# Altium PCB PCB_v6.PcbDoc (part 6 of 7)
Units mil, origin at the board's own origin, x right, y up, seen from the top; angles counter-clockwise.
Board outline 6750 x 6000 mil, 6 copper layers (Top Layer, Int1 (GND), Int2 (Sign), Int3 (Sign), Int4 (PWR), Bottom Layer), stack 61.067 mil thick; 476 components, 584 nets, 2542 pads, 986 vias.
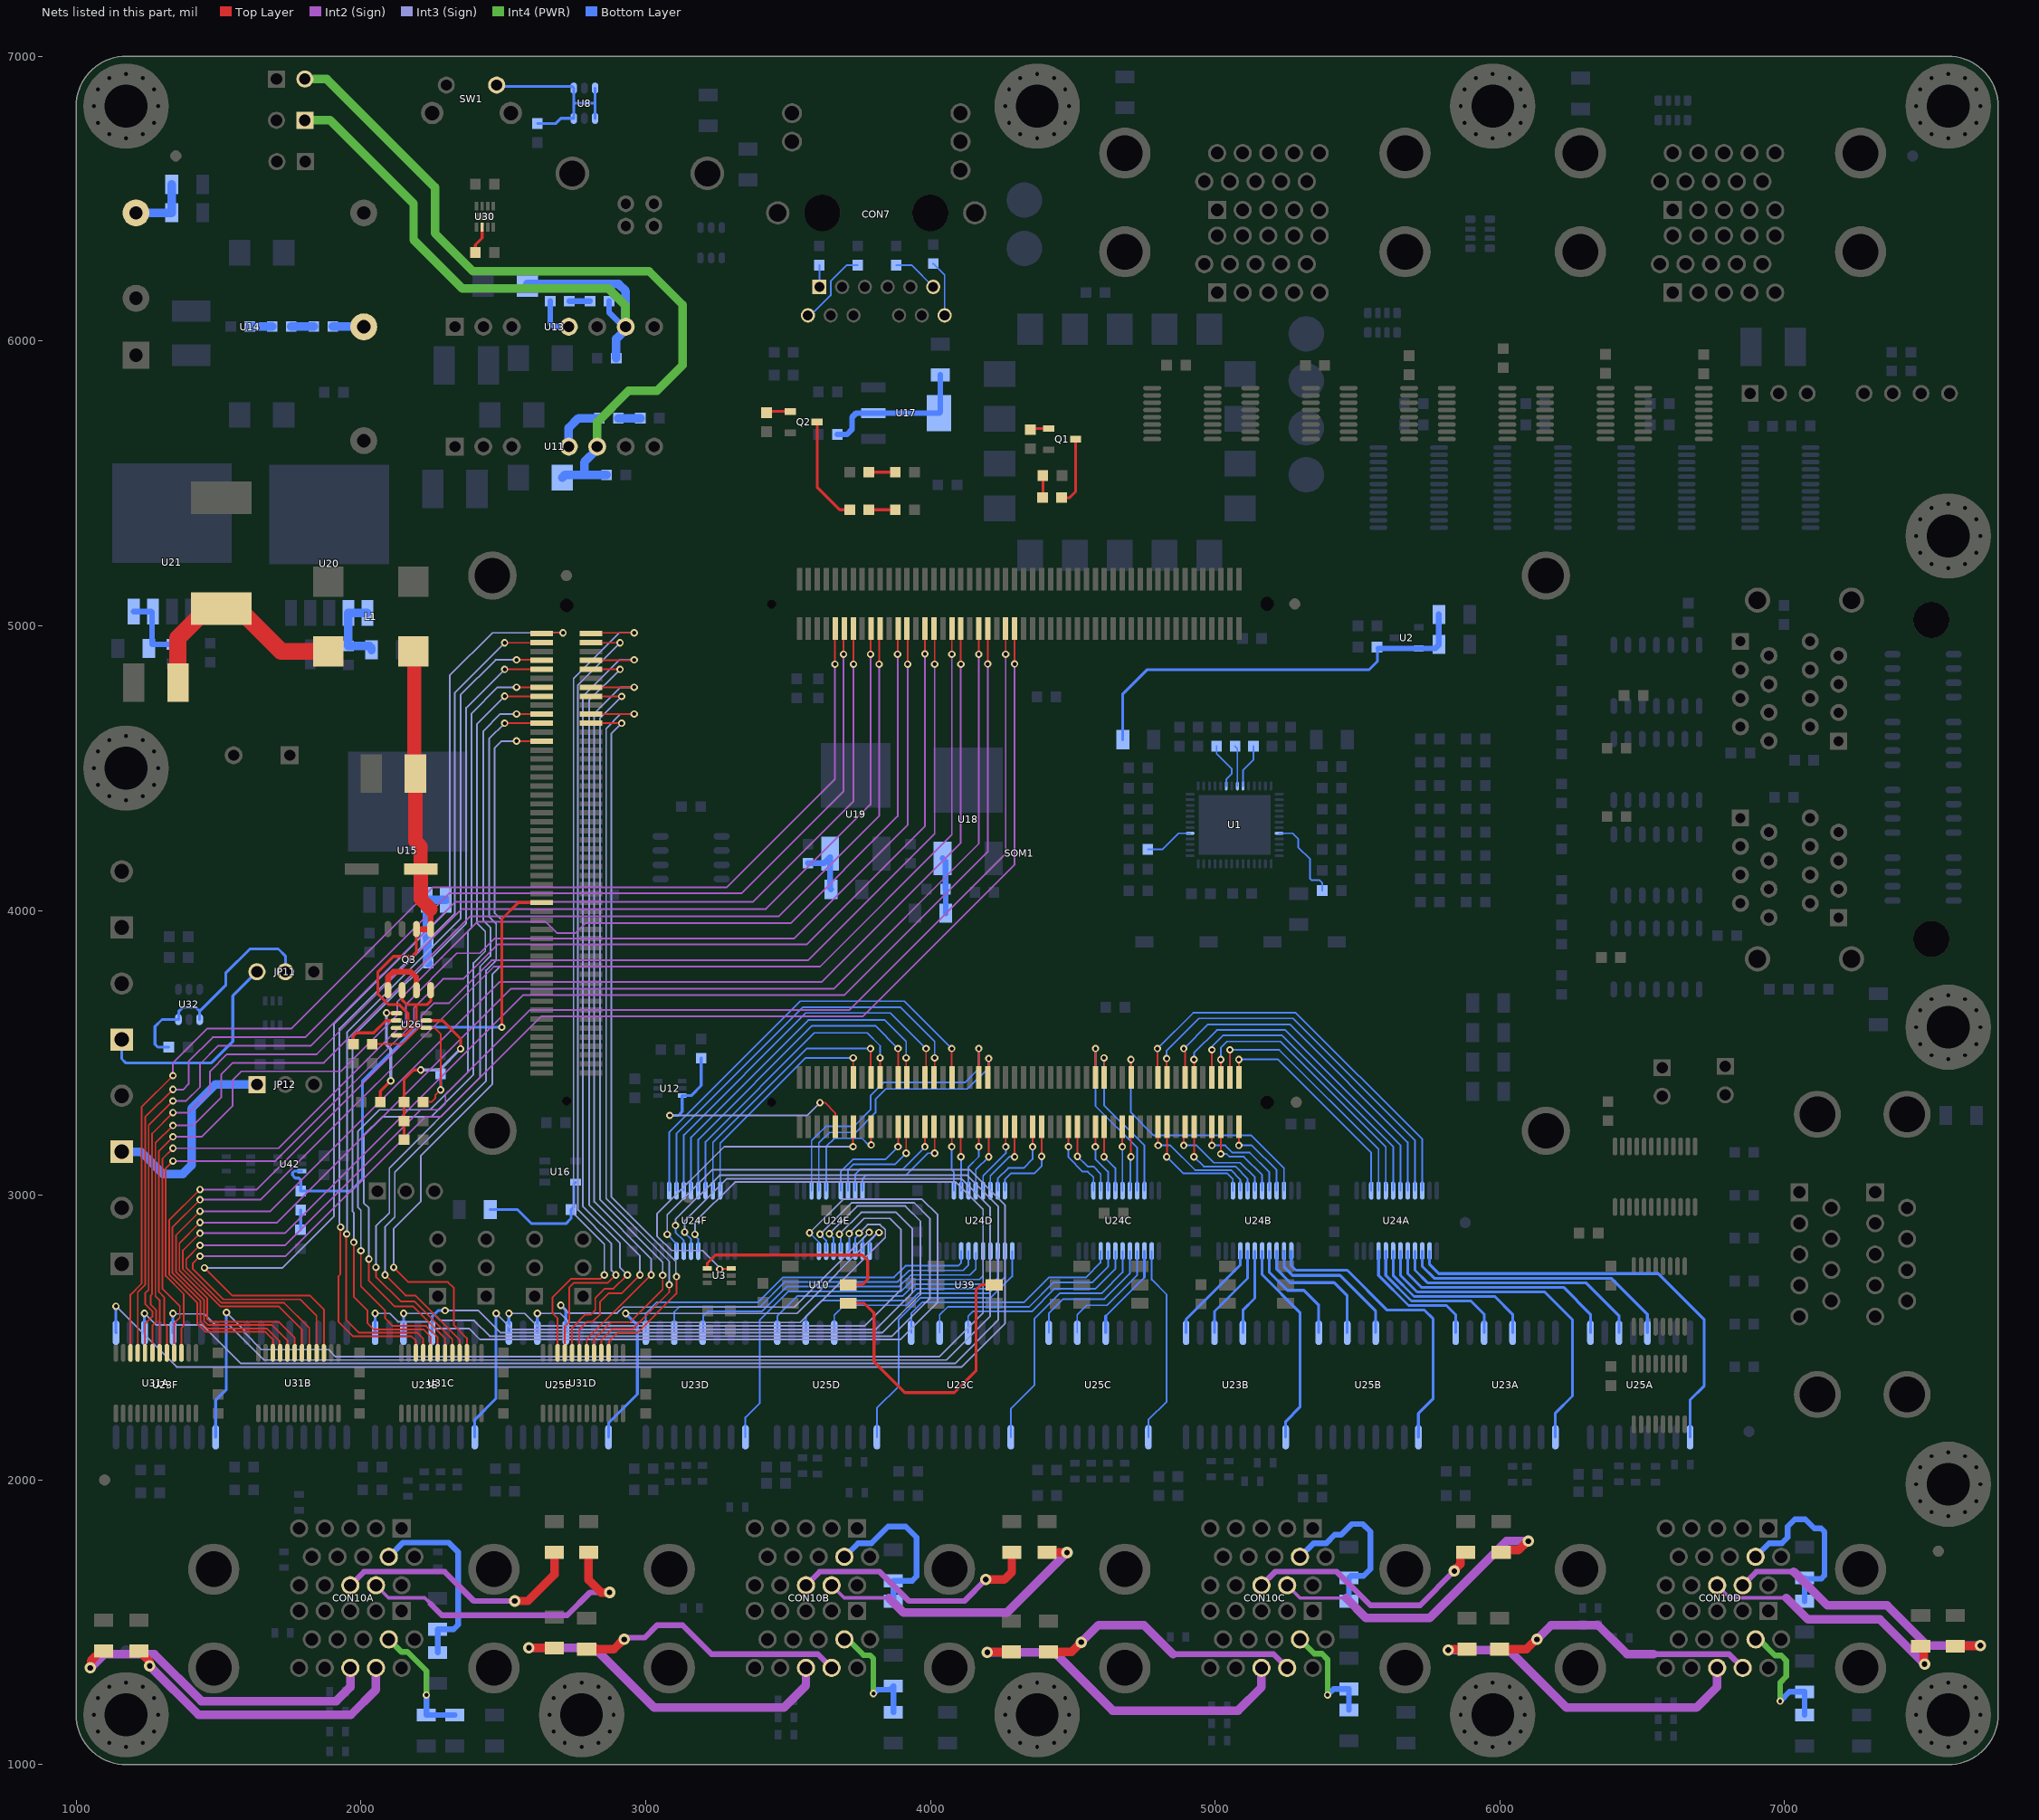
[diagram p10: the nets of this part, all layers, seen from the top]

## Via types
v1: diameter 26, hole 14, Top Layer to Bottom Layer, tented both sides, 919 vias
v2: diameter 40, hole 20, Top Layer to Bottom Layer, tented both sides, 53 vias
v3: diameter 60, hole 20, Top Layer to Bottom Layer, tented both sides, 6 vias
v4: diameter 30, hole 16, Top Layer to Bottom Layer, tented both sides, 5 vias
v5: diameter 60, hole 30, Top Layer to Bottom Layer, tented both sides, 2 vias
v6: diameter 80, hole 40, Top Layer to Bottom Layer, tented both sides, 1 vias

## Nets (pads, with @x,y where several pads share a name; then routed paths per layer and width w, separated by ;. In a path a pad name is that pad's centre, name@x,y a point inside that pad or via, vN(x,y) a via of type N, cw(c..) or ccw(c..) an arc to the next point about the centre after c; other vN are vias at no path point) (continued)
LV_INV1_PWM2: SOM1.JX2-18 U24E.5 | length 399.3
  Top Layer w6: v1(3791.94,3176.61) 3791.94,3236.01 3790,3237.95 SOM1.JX2-18@3792.05,3240
  Bottom Layer w6: U24E.5@3633.92,3016.3 3633.92,3170.79 3663.13,3200 3760,3200 3783.39,3176.61 v1(3791.94,3176.61)
LV_INV1_PWM3: SOM1.JX2-43 U24E.4 | length 1005.7
  Top Layer w6: SOM1.JX2-43@4201.5,3413.23 4205,3416.73 v1(4205,3479.97) v1@4205,3485
  Bottom Layer w6: U24E.4@3608.33,3016.3 3608.33,3183.26 3645.7,3220.64 3738.34,3220.64 3807.49,3289.78 3807.49,3336.65 3844.06,3373.23 4129.78,3373.23 4205,3448.45 v1(4205,3479.97)
LV_INV1_PWM4: SOM1.JX2-41 U24E.3 | length 1068.4
  Top Layer w6: SOM1.JX2-41@4170,3413.23 v1(4170,3515)
  Bottom Layer w6: U24E.3@3582.74,3016.3 3582.74,3191.31 3632.82,3241.39 3731.39,3241.39 3790,3300 3790,3349.68 3836.07,3395.76 4121.04,3395.76 4170,3444.72 v1(4170,3515)
LV_INV1_PWM5: SOM1.JX2-13 U24F.10 | length 826.6
  Top Layer w6: SOM1.JX2-13@3729.06,3413.23 v1(3729.06,3482.45)
  Bottom Layer w6: U24F.10@3261.87,3016.3 3261.87,3182.12 3562.21,3482.45 v1(3729.06,3482.45)
LV_INV1_PWM6: SOM1.JX2-17 U24F.9 | length 962.2
  Top Layer w6: v1(3790,3515) 3790,3415.28 SOM1.JX2-17@3792.05,3413.23
  Bottom Layer w6: U24F.9@3236.28,3016.3 3236.28,3185.83 3565.46,3515 v1(3790,3515)
LV_INV2_PWM1: SOM1.JX2-31 U24F.4 | length 1467.6
  Top Layer w6: SOM1.JX2-31@4012.52,3413.23 4015,3415.71 v1(4015,3482.45)
  Bottom Layer w6: U24F.4@3108.33,3016.3 3108.33,3215.71 3552.62,3660 3895,3660 4015,3540 v1(4015,3482.45)
LV_INV2_PWM2: SOM1.JX2-29 U24F.5 | length 1378.9
  Top Layer w6: SOM1.JX2-29@3981.02,3413.23 3985,3417.2 v1(3985,3515)
  Bottom Layer w6: U24F.5@3133.92,3016.3 3133.92,3211.33 3562.59,3640 3860,3640 v1(3985,3515)
LV_INV2_PWM3: SOM1.JX2-25 U24F.6 | length 1272.2
  Top Layer w6: v1(3915,3482.45) 3915,3416.26 SOM1.JX2-25@3918.03,3413.23
  Bottom Layer w6: U24F.6@3159.51,3016.3 3159.51,3203.29 3571.23,3615 3840.18,3615 3915,3540.18 v1(3915,3482.45)
LV_INV2_PWM4: SOM1.JX2-23 U24F.7 | length 1181.1
  Top Layer w6: SOM1.JX2-23@3886.54,3413.23 v1(3886.54,3515)
  Bottom Layer w6: U24F.7@3185.1,3016.3 3185.1,3195.67 3584.43,3595 3806.54,3595 v1(3886.54,3515)
LV_INV2_PWM5: SOM1.JX2-19 U24F.8 | length 1073
  Top Layer w6: SOM1.JX2-19@3823.54,3413.23 v1(3823.54,3482.45)
  Bottom Layer w6: U24F.8@3210.69,3016.3 3210.69,3187.85 3592.85,3570 3778.44,3570 3823.54,3524.89 v1(3823.54,3482.45)
LV_INV2_PWM6: SOM1.JX2-35 U24F.3 | length 1558.4
  Top Layer w6: v1(4075,3515) 4075,3413.74 SOM1.JX2-35@4075.51,3413.23
  Bottom Layer w6: U24F.3@3082.74,3016.3 3082.74,3220.64 3543.53,3681.43 3908.57,3681.43 v1(4075,3515)
LV_INV3_PWM1: SOM1.JX2-56 U24D.10 | length 325.7
  Top Layer w6: v1(4390.47,3136.42) SOM1.JX2-56@4390.47,3240
  Bottom Layer w6: U24D.10@4261.87,3016.3 4262.57,3017 4262.57,3056.8 4281.89,3076.11 4365,3076.11 4390.47,3101.59 v1(4390.47,3136.42)
LV_INV3_PWM2: SOM1.JX2-54 U24D.9 | length 306.6
  Top Layer w6: v1(4358.98,3170) SOM1.JX2-54@4358.98,3240
  Bottom Layer w6: U24D.9@4236.28,3016.3 4236.28,3058.4 4273.37,3095.49 4328.06,3095.49 4358.98,3126.41 v1(4358.98,3170)
LV_INV3_PWM3: SOM1.JX2-50 U24D.8 | length 270
  Top Layer w6: v1(4295.99,3135) SOM1.JX2-50@4295.98,3240
  Bottom Layer w6: U24D.8@4210.69,3016.3 4210.69,3068.39 4277.31,3135 v1(4295.99,3135)
LV_INV3_PWM4: SOM1.JX2-48 U24D.7 | length 257
  Top Layer w6: SOM1.JX2-48@4264.49,3240 4264.49,3170.51 v1(4265,3170)
  Bottom Layer w6: U24D.7@4185.1,3016.3 4185.1,3068.22 4265,3148.11 v1(4265,3170)
LV_INV3_PWM5: SOM1.JX2-44 U24D.6 | length 244
  Top Layer w6: SOM1.JX2-44@4201.5,3240 4205,3236.5 v1(4205,3135)
  Bottom Layer w6: U24D.6@4159.51,3016.3 4159.51,3089.51 v1(4205,3135)
LV_INV3_PWM6: SOM1.JX2-42 U24D.5 | length 238.6
  Top Layer w6: v1(4170,3170) SOM1.JX2-42@4170,3240
  Bottom Layer w6: U24D.5@4133.92,3016.3 4133.92,3099.47 4170,3135.55 v1(4170,3170)
LV_INV4_PWM1: SOM1.JX2-26 U24E.8 | length 395.9
  Top Layer w6: v1(3915,3147.6) 3915,3236.97 SOM1.JX2-26@3918.03,3240
  Bottom Layer w6: U24E.8@3710.69,3016.3 3710.69,3090.59 3728.52,3108.43 3875.82,3108.43 v1(3915,3147.6)
LV_INV4_PWM2: SOM1.JX2-30 U24E.9 | length 412.3
  Top Layer w6: v1(3981.02,3170) SOM1.JX2-30@3981.02,3240
  Bottom Layer w6: U24E.9@3736.28,3016.3 3736.28,3074.13 3752.75,3090.59 3901.62,3090.59 v1(3981.02,3170)
LV_INV4_PWM3: SOM1.JX2-32 U24E.10 | length 425.2
  Top Layer w6: SOM1.JX2-32@4012.52,3240 4015,3237.52 v1(4015,3147.6)
  Bottom Layer w6: U24E.10@3761.87,3016.3 3761.87,3057.76 3774.12,3070 3913.69,3070 3991.29,3147.6 v1(4015,3147.6)
LV_INV4_PWM4: SOM1.JX2-36 U24D.3 | length 227.1
  Top Layer w6: v1(4075,3170) 4075.51,3170.51 SOM1.JX2-36@4075.51,3240
  Bottom Layer w6: v1(4075,3170) 4075,3088.75 4082.74,3081.01 U24D.3@4082.74,3016.3
LV_INV4_PWM5: SOM1.JX2-38 U24D.4 | length 224.2
  Top Layer w6: v1(4107.01,3135) SOM1.JX2-38@4107.01,3240
  Bottom Layer w6: v1(4107.01,3135) 4107.67,3134.34 4107.67,3016.96 U24D.4@4108.33,3016.3
LV_INV4_PWM6: SOM1.JX2-24 U24E.7 | length 373.6
  Top Layer w6: v1(3886.54,3170) SOM1.JX2-24@3886.54,3240
  Bottom Layer w6: U24E.7@3685.1,3016.3 3685.1,3081.97 3729.24,3126.11 3842.65,3126.11 v1(3886.54,3170)
LV_INV5_PWM1: SOM1.JX2-88 U24B.6 | length 409.2
  Top Layer w6: v1(4890,3175) 4890,3235.59 SOM1.JX2-88@4894.41,3240
  Bottom Layer w6: v1(4890,3175) 4935.01,3175 4996.01,3114 5088.04,3114 5139.51,3062.52 U24B.6@5139.51,3016.3
LV_INV5_PWM2: SOM1.JX2-90 U24B.5 | length 366.7
  Top Layer w6: v1(4925.9,3135) SOM1.JX2-90@4925.9,3240
  Bottom Layer w6: v1(4925.9,3135) 4960.09,3100.81 5071.21,3100.81 5113.92,3058.1 U24B.5@5113.92,3016.3
LV_INV5_PWM3: SOM1.JX2-82 U24B.4 | length 442
  Top Layer w6: v1(4799.92,3175) SOM1.JX2-82@4799.92,3240
  Bottom Layer w6: v1(4799.92,3175) 4842.73,3175 4929.61,3088.11 5055.52,3088.11 5088.33,3055.3 U24B.4@5088.33,3016.3
LV_INV5_PWM4: SOM1.JX2-84 U24B.3 | length 410.9
  Top Layer w6: v1(4830,3135) 4831.42,3136.42 SOM1.JX2-84@4831.42,3240
  Bottom Layer w6: v1(4830,3135) 4888.89,3076.11 5042.87,3076.11 5062.19,3056.8 5062.19,3016.85 U24B.3@5062.74,3016.3
LV_INV5_PWM5: SOM1.JX2-69 U24C.10 | length 594.5
  Top Layer w6: v1(4610,3482.45) 4610.95,3481.51 SOM1.JX2-69@4610.95,3413.23
  Bottom Layer w6: v1(4610,3482.45) 4610,3315.75 4751.87,3173.88 U24C.10@4751.87,3016.3
LV_INV5_PWM6: SOM1.JX2-67 U24C.9 | length 661.3
  Top Layer w6: SOM1.JX2-67@4579.45,3413.23 4580,3413.78 v1(4580,3515)
  Bottom Layer w6: v1(4580,3515) 4580,3313.16 4726.28,3166.88 U24C.9@4726.28,3016.3
LV_INV6_PWM1: SOM1.JX2-64 U24C.4 | length 269.5
  Top Layer w6: v1(4516.46,3136.42) SOM1.JX2-64@4516.46,3240
  Bottom Layer w6: v1(4516.46,3136.42) 4552.06,3100.81 4572.3,3100.81 4598.33,3074.79 U24C.4@4598.33,3016.3
LV_INV6_PWM2: SOM1.JX2-68 U24C.5 | length 242.1
  Top Layer w6: v1@4579.45,3170 SOM1.JX2-68@4579.45,3240
  Bottom Layer w6: v1(4579.45,3170) 4579.45,3127.31 4623.92,3082.84 U24C.5@4623.92,3016.3
LV_INV6_PWM3: SOM1.JX2-70 U24C.6 | length 240.5
  Top Layer w6: v1(4610,3135) 4610,3239.06 SOM1.JX2-70@4610.94,3240
  Bottom Layer w6: v1(4610,3135) 4649.51,3095.49 U24C.6@4649.51,3016.3
LV_INV6_PWM4: SOM1.JX2-74 U24C.7 | length 224.2
  Top Layer w6: v1(4673.94,3170) SOM1.JX2-74@4673.94,3240
  Bottom Layer w6: v1(4673.94,3170) 4674.52,3169.42 4674.52,3016.88 U24C.7@4675.1,3016.3
LV_INV6_PWM5: SOM1.JX2-76 U24C.8 | length 225.7
  Top Layer w6: v1(4704.14,3135) 4704.14,3238.7 SOM1.JX2-76@4705.43,3240
  Bottom Layer w6: U24C.8@4700.69,3016.3 4702.41,3018.02 4702.41,3133.28 v1(4704.14,3135)
LV_INV6_PWM6: SOM1.JX2-62 U24C.3 | length 265.7
  Top Layer w6: v1@4484.37,3175 4484.37,3239.41 SOM1.JX2-62@4484.96,3240
  Bottom Layer w6: v1(4485,3170) 4485,3133.01 4535.17,3082.84 4552.9,3082.84 4572.74,3063 U24C.3@4572.74,3016.3
LV_INV7_PWM1: SOM1.JX2-81 U24A.10 | length 1449.3
  Top Layer w6: v1(4797.49,3515) 4797.49,3415.67 SOM1.JX2-81@4799.92,3413.23
  Bottom Layer w6: v1(4797.49,3515) 4923.28,3640.79 5283.4,3640.79 5727.54,3196.65 U24A.10@5727.54,3016.3
LV_INV7_PWM2: SOM1.JX2-83 U24A.9 | length 1368.5
  Top Layer w6: v1(4830,3479.96) 4830,3414.65 SOM1.JX2-83@4831.42,3413.23
  Bottom Layer w6: v1(4830,3479.96) 4830,3508.31 4942.79,3621.1 5274.07,3621.1 5701.95,3193.23 U24A.9@5701.95,3016.3
LV_INV7_PWM3: SOM1.JX2-87 U24A.8 | length 1266.4
  Top Layer w6: v1(4890,3514.99) 4894.41,3510.58 SOM1.JX2-87@4894.41,3413.23
  Bottom Layer w6: v1(4890,3514.99) 4975.01,3600 5262.4,3600 5676.35,3186.05 U24A.8@5676.35,3016.3
LV_INV7_PWM4: SOM1.JX2-89 U24A.7 | length 1171.4
  Top Layer w6: SOM1.JX2-89@4925.91,3413.23 v1(4925.9,3476.61)
  Bottom Layer w6: v1(4925.9,3476.61) 4925.9,3499.91 5005.99,3580 5246.22,3580 5650.76,3175.46 U24A.7@5650.76,3016.3
LV_INV7_PWM5: SOM1.JX2-93 U24A.6 | length 1078.6
  Top Layer w6: SOM1.JX2-93@4988.9,3413.23 v1(4988.9,3510.58)
  Bottom Layer w6: v1(4988.9,3510.58) 4988.9,3522.35 5028.54,3562 5234.43,3562 5625.17,3171.26 U24A.6@5625.17,3016.3
LV_INV7_PWM6: SOM1.JX2-95 U24A.5 | length 1000.3
  Top Layer w6: v1(5020,3476.61) 5020,3413.62 SOM1.JX2-95@5020.4,3413.23
  Bottom Layer w6: v1(5020,3476.61) 5020,3518.42 5041.58,3540 5228.67,3540 5599.58,3169.09 U24A.5@5599.58,3016.3
LV_INV8_PWM1: SOM1.JX2-94 U24B.8 | length 370.3
  Top Layer w6: v1(4988.9,3175) SOM1.JX2-94@4988.9,3240
  Bottom Layer w6: v1(4988.9,3175) 5036,3175 5061.46,3149.54 5121.94,3149.54 5190.69,3080.79 U24B.8@5190.69,3016.3
LV_INV8_PWM2: SOM1.JX2-100 U24B.9 | length 305.6
  Top Layer w6: v1(5083.38,3175) SOM1.JX2-100@5083.38,3240
  Bottom Layer w6: v1(5083.38,3175) 5129.25,3175 5216.28,3087.96 U24B.9@5216.28,3016.3
LV_INV8_PWM3: SOM1.JX2-75 U24B.10 | length 947.4
  Top Layer w6: v1(4704.14,3476.61) 4705.43,3475.31 SOM1.JX2-75@4705.43,3413.23
  Bottom Layer w6: v1(4704.14,3476.61) 4704.14,3290.61 4784.75,3210 5126.93,3210 5241.87,3095.06 U24B.10@5241.87,3016.3
LV_INV8_PWM4: SOM1.JX2-99 U24A.3 | length 797.1
  Top Layer w6: SOM1.JX2-99@5083.39,3413.23 v1(5083.39,3476.61)
  Bottom Layer w6: v1(5083.39,3476.61) 5221.33,3476.61 5548.4,3149.54 U24A.3@5548.4,3016.3
LV_INV8_PWM5: SOM1.JX2-97 U24A.4 | length 909.4
  Top Layer w6: SOM1.JX2-97@5051.89,3413.23 v1(5051.89,3510.58)
  Bottom Layer w6: v1(5051.89,3510.58) 5225.13,3510.58 5573.99,3161.72 U24A.4@5573.99,3016.3
LV_INV8_PWM6: SOM1.JX2-96 U24B.7 | length 325.5
  Top Layer w6: v1(5020,3145) 5020,3239.61 SOM1.JX2-96@5020.39,3240
  Bottom Layer w6: v1(5020,3145) 5040.88,3145 5050.88,3135 5100.98,3135 5165.1,3070.88 U24B.7@5165.1,3016.3
LV_INV_STS_A1: SOM1.JX1-30 U31A.3 | length 4566
  Top Layer w6: v1(1340,3120) 1314.56,3094.56 1314.56,2716.25 1377.74,2653.07 1377.74,2541.92 1369.86,2534.05 U31A.3@1369.86,2446.3 ; v1(3981.02,4901.02) SOM1.JX1-30@3981.02,4990
  Int2 (Sign) w6: v1(1340,3120) 1700,3120 2185.94,3605.94 2185.94,3657.48 2288.46,3760 2359.59,3760 2470,3870.41 2470.41,3870.41 2480.4,3880.4 3565.4,3880.4 3981.02,4296.02 v1(3981.02,4901.02)
LV_INV_STS_A2: SOM1.JX1-26 U31A.4 | length 4542.8
  Top Layer w6: v1(1340,3165) 1302.56,3127.56 1302.56,2672.28 1364.29,2610.54 1364.29,2570.45 1344.27,2550.43 U31A.4@1344.27,2446.3 ; SOM1.JX1-26@3918.03,4990 3920,4988.03 v1(3920,4865)
  Int2 (Sign) w6: v1(1340,3165) 1710,3165 2158.11,3613.11 2158.11,3670.76 2337.35,3850 2418,3850 2470,3902 3522,3902 3920,4300 v1(3920,4865)
LV_INV_STS_A3: SOM1.JX1-24 U31A.5 | length 4574.9
  Top Layer w6: U31A.5@1318.68,2446.3 1318.68,2539.87 1310,2548.56 1310,2640.93 1290.56,2660.37 1290.56,3155.56 v1(1340,3205) ; v1(3885,4900) 3885,4988.46 SOM1.JX1-24@3886.54,4990
  Int2 (Sign) w6: v1(1340,3205) 1440,3205 1550,3315 1550,3405 1580,3435 1930,3435 2128.11,3633.11 2128.11,3679.41 2408.7,3960 2650,3960 2690,3920 2753.4,3920 2788.4,3955 3509.02,3955 3885,4330.98 v1(3885,4900)
LV_INV_STS_A4: SOM1.JX1-20 U31A.6 | length 4467
  Top Layer w6: U31A.6@1293.09,2446.3 1293.09,2631.4 1278.56,2645.93 1278.56,3183.56 v1(1340,3245) ; v1(3820,4865) 3820,4986.46 SOM1.JX1-20@3823.54,4990
  Int2 (Sign) w6: v1(1340,3245) 1410,3245 1510,3345 1510,3425 1550,3465 1870,3465 2385,3980 3468.5,3980 3820,4331.5 v1(3820,4865)
LV_INV_STS_A5: SOM1.JX1-18 U31A.7 | length 4446.7
  Top Layer w6: U31A.7@1267.5,2446.3 1267.5,2541.84 1280.3,2554.64 1280.3,2597.06 1262.11,2615.24 1262.11,2648.15 1266.56,2652.59 1266.56,3216.56 v1(1340,3290) ; v1(3790,4900) 3790,4987.95 SOM1.JX1-18@3792.05,4990
  Int2 (Sign) w6: v1(1340,3290) 1395,3290 1470,3365 1470,3435 1530,3495 1845,3495 2355,4005 3422.71,4005 3790,4372.29 v1(3790,4900)
LV_INV_STS_A6: SOM1.JX1-14 U31A.8 | length 4425.8
  Top Layer w6: U31A.8@1241.91,2446.3 1241.91,2547.66 1267.5,2573.25 1267.5,2592.5 1242.49,2617.51 1242.49,2656.18 1254.56,2668.25 1254.56,3245.67 v1(1340,3331.11) ; SOM1.JX1-14@3729.06,4990 3730,4989.06 v1(3730,4865)
  Int2 (Sign) w6: v1(1340,3331.11) 1386.11,3331.11 1435,3380 1435,3460 1500,3525 1825,3525 2330,4030 3376.39,4030 3730,4383.61 v1(3730,4865)
LV_INV_STS_A7: SOM1.JX1-12 U31A.9 | length 4384.4
  Top Layer w6: U31A.9@1216.32,2446.3 1216.32,2659.35 1242.56,2685.58 1242.56,3273.82 v1(1340,3371.26) ; v1(3695,4900) 3695,4987.44 SOM1.JX1-12@3697.56,4990
  Int2 (Sign) w6: v1(1340,3371.26) 1376.26,3371.26 1395,3390 1395,3470 1480,3555 1805,3555 2310,4060 3336.43,4060 3695,4418.57 v1(3695,4900)
LV_INV_STS_A8: SOM1.JX1-10 U31A.10 | length 4346.7
  Top Layer w6: U31A.10@1190.73,2446.3 1190.73,2650.73 1230.56,2690.56 1230.56,3310.56 v1(1340,3420) ; v1(3665,4865) 3665,4988.94 SOM1.JX1-10@3666.06,4990
  Int2 (Sign) w6: v1(1340,3420) 1340,3465 1460,3585 1755,3585 2250.88,4080.88 3283.53,4080.88 3665,4462.35 v1(3665,4865)
LV_INV_STS_B1: SOM1.JX3-99 U31B.3 | length 3766.1
  Top Layer w6: v1(1450.57,2745) 1547.42,2648.15 1820.6,2648.15 1869.86,2598.89 U31B.3@1869.86,2446.3 ; SOM1.JX3-99@2635.12,4972.77 2637.35,4975 v1(2710,4975)
  Int3 (Sign) w6: v1(1450.57,2745) 1725,2745 1905,2925 1905,3600 2311.73,4006.73 2311.73,4825 2461.73,4975 v1(2710,4975)
LV_INV_STS_B2: SOM1.JX1-50 U31B.4 | length 4947.7
  Top Layer w6: v1(1435,2785.95) 1410,2760.95 1410,2740.53 1516.53,2634 1786.66,2634 1844.27,2576.39 U31B.4@1844.27,2446.3 ; v1(4295.98,4865.96) SOM1.JX1-50@4295.98,4990
  Int2 (Sign) w6: v1(1435,2785.95) 1735.95,2785.95 2225,3275 2280,3275 2633.44,3628.44 3763.44,3628.44 4295.98,4160.98 v1(4295.98,4865.96)
LV_INV_STS_B3: SOM1.JX1-48 U31B.5 | length 4914
  Top Layer w6: v1(1435,2824.1) 1386.56,2775.65 1386.56,2746.07 1510.63,2622 1730.58,2622 1818.68,2533.9 U31B.5@1818.68,2446.3 ; v1(4264.49,4900) SOM1.JX1-48@4264.49,4990
  Int2 (Sign) w6: v1(1435,2824.1) 1734.1,2824.1 2210,3300 2274.99,3300 2297,3322.01 2297,3353.72 2593.28,3650 3715,3650 4264.49,4199.49 v1(4264.49,4900)
LV_INV_STS_B4: SOM1.JX1-44 U31B.6 | length 4843.8
  Top Layer w6: v1(1435,2866.52) 1374.56,2806.08 1374.56,2741.1 1505.66,2610 1710.75,2610 1793.09,2527.66 U31B.6@1793.09,2446.3 ; v1(4201.5,4865.96) SOM1.JX1-44@4201.5,4990
  Int2 (Sign) w6: v1(1435,2866.52) 1733.69,2866.52 2570.59,3703.43 3698.43,3703.43 4201.5,4206.5 v1(4201.5,4865.96)
LV_INV_STS_B5: SOM1.JX1-42 U31B.7 | length 4837.5
  Top Layer w6: v1(1435,2904.05) 1362.56,2831.61 1362.56,2736.13 1461,2637.69 1461,2564.91 1469.91,2556 1710.04,2556 1767.5,2498.54 U31B.7@1767.5,2446.3 ; v1(4170,4900) SOM1.JX1-42@4170,4990
  Int2 (Sign) w6: v1(1435,2904.05) 1705.17,2904.05 2526.11,3725 3660,3725 4170,4235 v1(4170,4900)
LV_INV_STS_B6: SOM1.JX1-38 U31B.8 | length 4785.7
  Top Layer w6: v1(1435,2943.43) 1350.56,2858.98 1350.56,2731.16 1449,2632.72 1449,2559.94 1464.94,2544 1688,2544 1741.91,2490.09 U31B.8@1741.91,2446.3 ; v1(4107.01,4865) SOM1.JX1-38@4107.01,4990
  Int2 (Sign) w6: v1(1435,2943.43) 1681.54,2943.43 2487.48,3749.37 3619.37,3749.37 4107.01,4237.01 v1(4107.01,4865)
LV_INV_STS_B7: SOM1.JX1-36 U31B.9 | length 4753.1
  Top Layer w6: v1(1435,2984.21) 1338.56,2887.77 1338.56,2726.19 1437,2627.75 1437,2554.97 1459.97,2532 1669.97,2532 1715.18,2486.8 1715.18,2447.44 U31B.9@1716.32,2446.3 ; v1(4075.51,4900) SOM1.JX1-36@4075.51,4990
  Int2 (Sign) w6: v1(1435,2984.21) 1647.79,2984.21 2466.58,3803 3613,3803 4075.51,4265.51 v1(4075.51,4900)
LV_INV_STS_B8: SOM1.JX1-32 U31B.10 | length 4730.3
  Top Layer w6: v1(1435,3020) 1326.56,2911.56 1326.56,2721.22 1425,2622.78 1425,2550 1455,2520 1665,2520 1690.73,2494.27 U31B.10@1690.73,2446.3 ; SOM1.JX1-32@4012.52,4990 4015,4987.52 v1(4015,4865)
  Int2 (Sign) w6: v1(1435,3020) 1634.05,3020 2212.7,3598.65 2212.7,3631.13 2255.75,3674.18 2308.18,3674.18 2459.01,3825 3570,3825 4015,4270 v1(4015,4865)
LV_INV_STS_C1: SOM1.JX3-75 U31C.3 | length 2657.2
  Top Layer w6: v1(2115,2746.57) 2166.57,2695 2305.5,2695 2326.63,2673.86 2326.63,2543.37 2372.25,2497.75 U31C.3@2372.25,2446.3 ; v1(2546.73,4595) 2634.93,4595 SOM1.JX3-75@2635.12,4594.81
  Int3 (Sign) w6: v1(2115,2746.57) 2115,2882.43 2210,2977.43 2210,3138.4 2461.73,3390.13 2461.73,3776.66 2496.71,3811.63 2496.71,3963.81 2470,3990.52 2470,4571.5 2493.5,4595 v1(2546.73,4595)
LV_INV_STS_C2: SOM1.JX3-79 U31C.4 | length 2664.9
  Top Layer w6: v1(2085,2720) 2156.85,2648.15 2191.33,2648.15 2346.66,2492.82 U31C.4@2346.66,2446.3 ; v1(2505.01,4657.8) SOM1.JX3-79@2635.12,4657.81
  Int3 (Sign) w6: v1(2085,2720) 2085,2890 2119.11,2924.11 2119.11,3081 2439.92,3401.81 2439.92,3789.92 2475,3825 2475,3953.22 2450,3978.22 2450,4602.8 v1(2505.01,4657.8)
LV_INV_STS_C3: SOM1.JX3-81 U31C.5 | length 2729.8
  Top Layer w6: v1(2053,2746.57) 2053,2714.32 2140.07,2627.24 2187.76,2627.24 2321.07,2493.93 U31C.5@2321.07,2446.3 ; v1(2546.73,4690) 2634.42,4690 SOM1.JX3-81@2635.12,4689.3
  Int3 (Sign) w6: v1(2053,2746.57) 2053,2891.16 2100,2938.16 2100,3095 2418.71,3413.71 2418.71,3803.79 2455,3840.08 2455,3940 2430,3965 2430,4630 2490,4690 v1(2546.73,4690)
LV_INV_STS_C4: SOM1.JX3-85 U31C.6 | length 2922.3
  Top Layer w6: v1(2028.11,2775.31) 2028.11,2699.5 2117.61,2610 2182.76,2610 2295.48,2497.28 U31C.6@2295.48,2446.3 ; v1(2505,4752.29) SOM1.JX3-85@2635.12,4752.3
  Int3 (Sign) w6: v1(2028.11,2775.31) 2028.11,2954.68 2010,2972.8 2010,3210.3 2074.7,3275 2246.6,3275 2395.42,3423.81 2395.42,3815.42 2437,3857 2437,3926 2408,3955 2408,4655.29 v1(2505,4752.29)
LV_INV_STS_C5: SOM1.JX3-87 U31C.7 | length 2984.5
  Top Layer w6: v1(2000,2805) 2000,2679.76 2085,2594.76 2085,2567.36 2111.36,2541 2229,2541 2269.89,2500.11 U31C.7@2269.89,2446.3 ; v1(2546.73,4783.79) SOM1.JX3-87@2635.12,4783.79
  Int3 (Sign) w6: v1(2000,2805) 2000,2946.76 1990,2956.76 1990,3225 2065,3300 2243.28,3300 2376,3432.72 2376,3927.29 2389,3940.3 2389,4692.27 2480.52,4783.79 v1(2546.73,4783.79)
LV_INV_STS_C6: SOM1.JX3-91 U31C.8 | length 2968.1
  Top Layer w6: v1(1975,2835) 1975,2643 2023.13,2594.87 2023.13,2550.43 2044.56,2529 2219.11,2529 2244.3,2503.81 U31C.8@2244.3,2446.3 ; v1(2505,4846.78) SOM1.JX3-91@2635.12,4846.78
  Int3 (Sign) w6: v1(1975,2835) 1975,2939.04 1970,2944.04 1970,3555.39 2370,3955.39 2370,4711.78 v1(2505,4846.78)
LV_INV_STS_C7: SOM1.JX3-93 U31C.9 | length 3045.8
  Top Layer w6: v1(1950.18,2863.78) 1947.76,2861.36 1947.76,2563.09 1993.85,2517 2198,2517 2218.7,2496.3 U31C.9@2218.7,2446.3 ; v1(2546.73,4880) 2633.4,4880 SOM1.JX3-93@2635.12,4878.28
  Int3 (Sign) w6: v1(1950.18,2863.78) 1951,2864.6 1951,3572.36 2350,3971.36 2350,4756.78 2473.22,4880 v1(2546.73,4880)
LV_INV_STS_C8: SOM1.JX3-97 U31C.10 | length 3102.4
  Top Layer w6: v1(1929,2887.77) 1928.18,2886.95 1928.18,2722.34 1921.04,2715.2 1921.04,2556 1972.04,2505 2176.96,2505 2193.11,2488.84 U31C.10@2193.11,2446.3 ; v1(2505,4940) 2633.85,4940 SOM1.JX3-97@2635.12,4941.27
  Int3 (Sign) w6: v1(1929,2887.77) 1925.17,2891.59 1925.17,2900.85 1924.87,2901.15 1925,2901.28 1925,3585 2330,3990 2330,4765 v1(2505,4940)
LV_INV_STS_D1: SOM1.JX3-80 U31D.3 | length 2567.8
  Top Layer w6: SOM1.JX3-80@2808.35,4657.8 v1(2915.77,4657.81) ; U31D.3@2869.86,2446.3 2871.36,2447.8 2871.36,2486.8 2901.56,2517 2971,2517 3108.33,2654.33 v1(3108.33,2714.2)
  Int3 (Sign) w6: v1(2915.77,4657.81) 2880,4622.04 2880,2993.17 3106.13,2767.04 3106.13,2716.4 v1(3108.33,2714.2)
LV_INV_STS_D2: SOM1.JX3-82 U31D.4 | length 2696.9
  Top Layer w6: SOM1.JX3-82@2808.35,4689.3 2809.05,4690 v1(2960,4690) ; U31D.4@2844.27,2446.3 2844.27,2491.63 2884.64,2532 2956,2532 3083,2659 v1(3083,2685.51)